# KiCad board ulx4m_panel.kicad_pcb (continued)
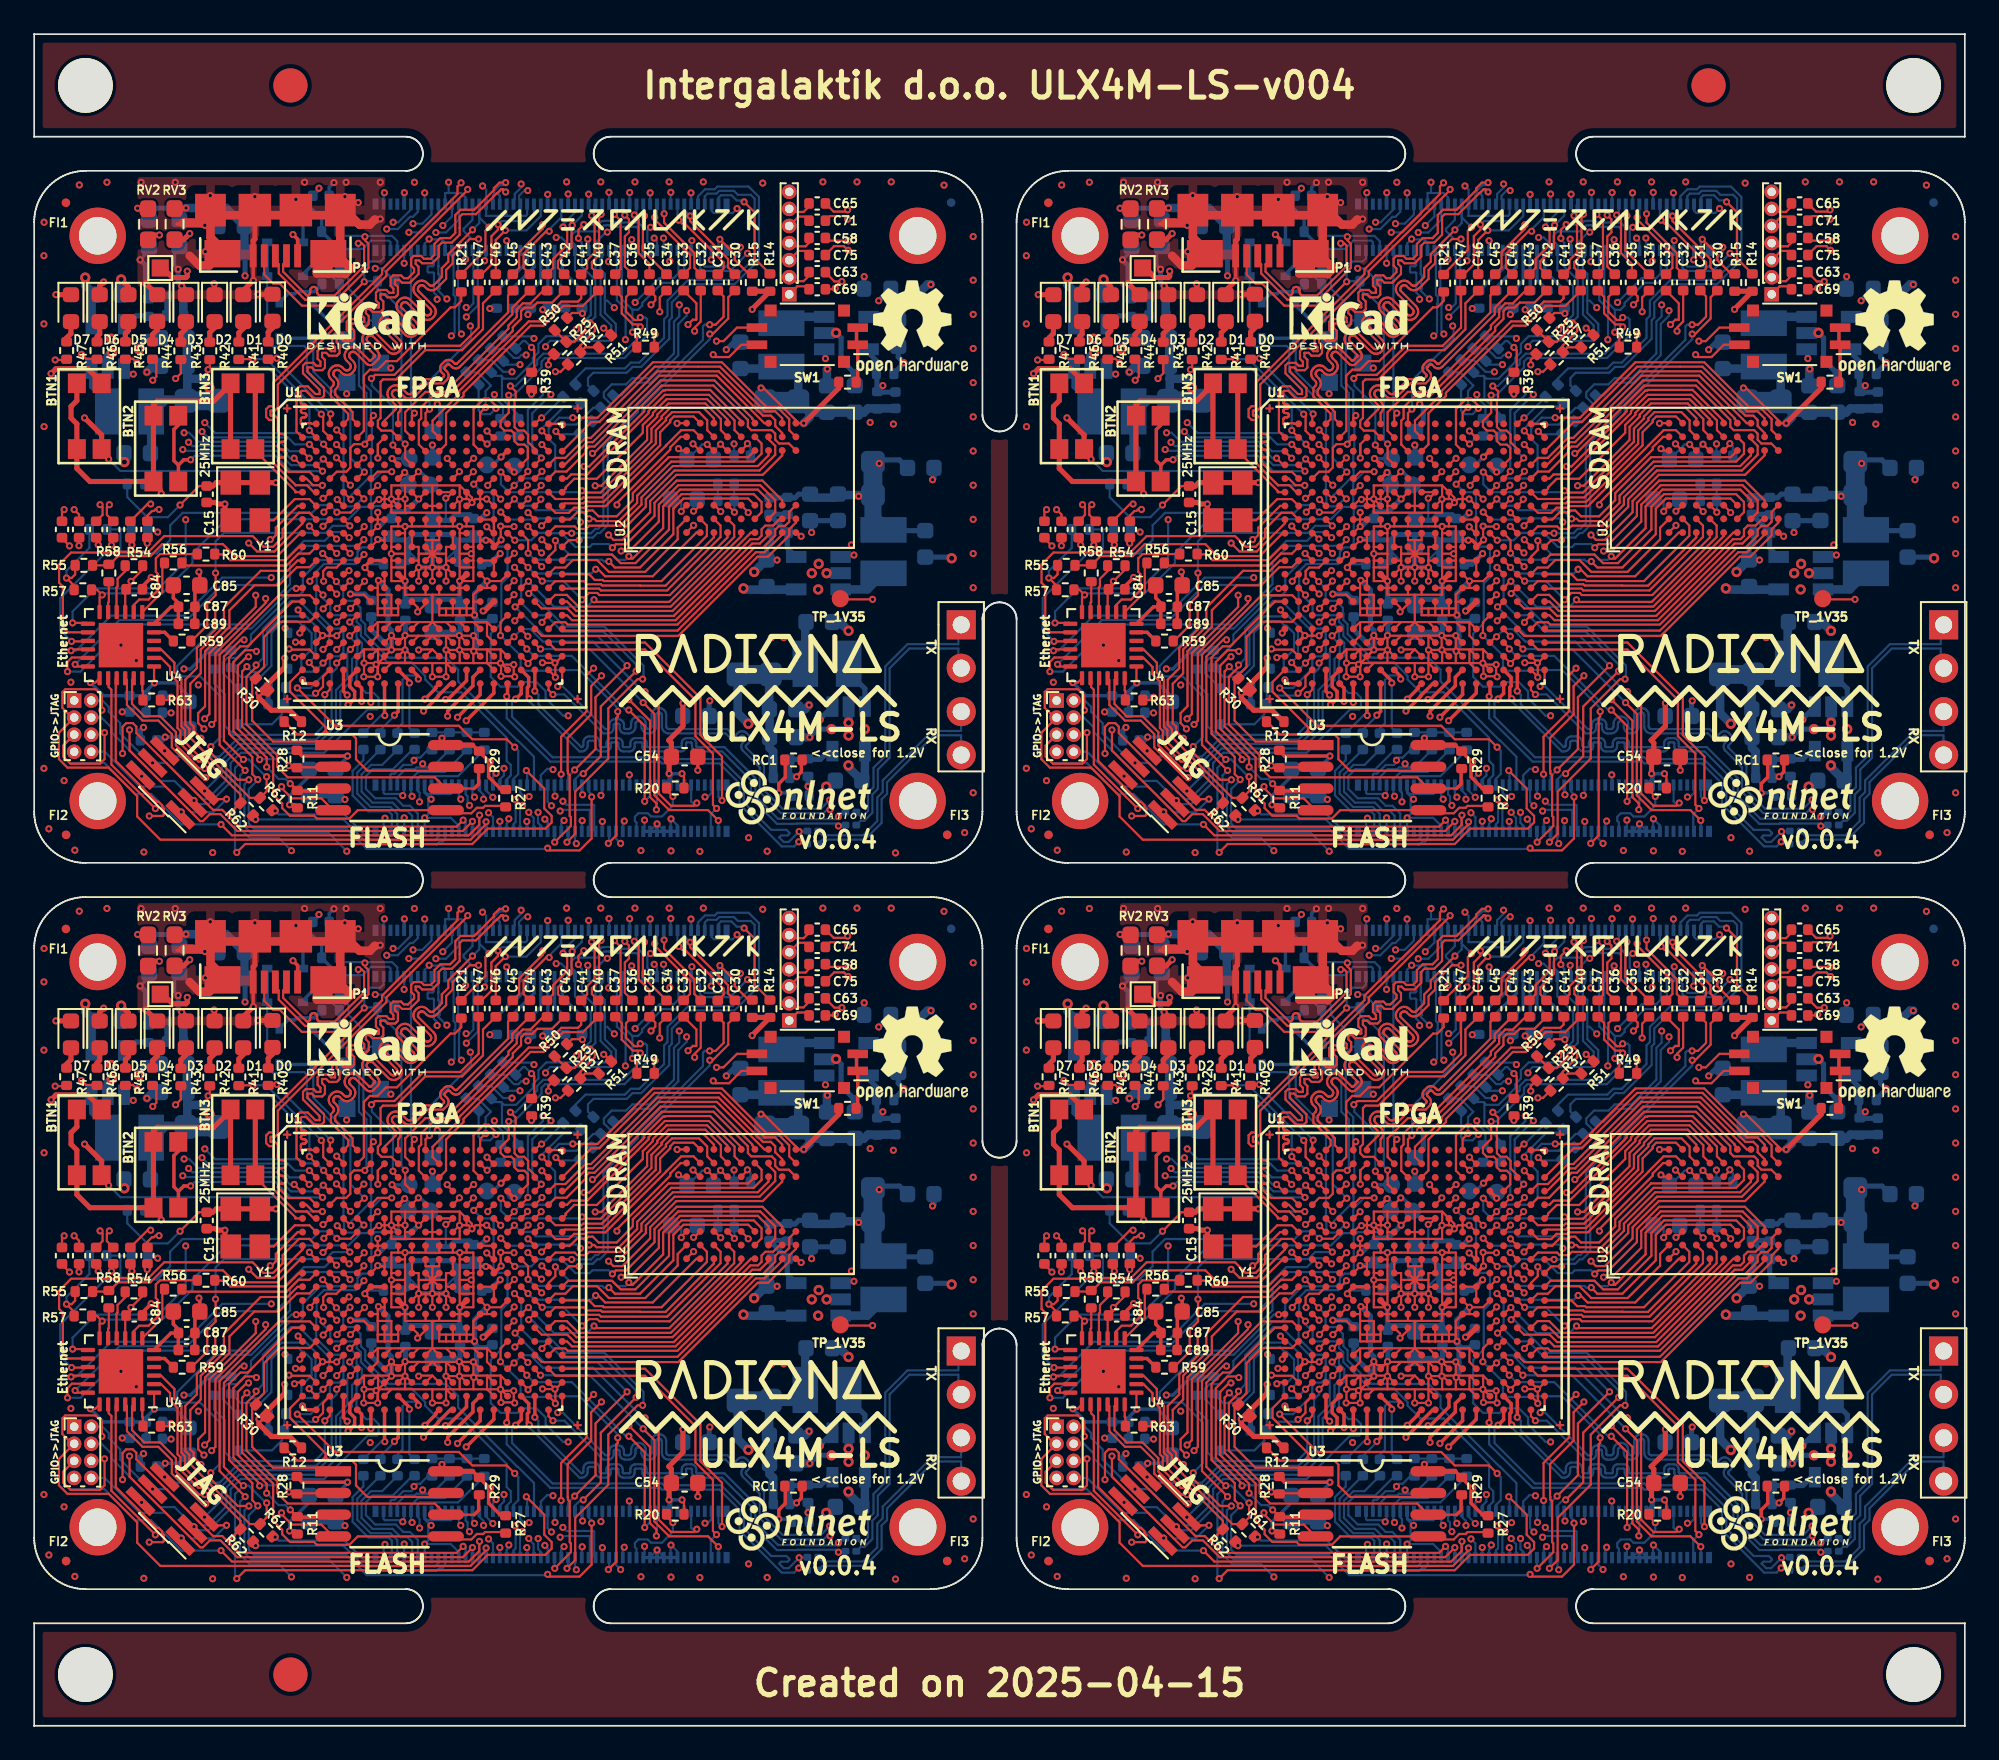
[diagram p0: board, top side]
## Routing (per net, layer and track width the routed paths; a pad name or vN(x,y) marks a point on that pad's centre or on a via; arc(x,y) is an arc through that point) (continued)
  Bottom w0.127: J1#3.30 83.57,12.24 83.82,11.99 v1(83.82,11.73)
Board_3-GPIO7: length 21.6
  Top w0.127: U1.P3 74.43,22.91 v1(74.43,22.87)
  In2signal.Cu w0.127: v1(85.3,10.58) 85.27,10.61 85.27,11.89 85.41,12.04 85.41,13.73 85.2,13.94 85.14,13.94 84.41,14.66 84.41,16.36 83.03,17.74 83.03,19.18 82.14,20.07 78.04,20.07 76.41,21.7 75.79,21.7 74.94,21.7 74.43,22.21 v1(74.43,22.87)
  Bottom w0.127: v1(85.3,10.58) 85.3,10.43 85.17,10.3 J1#3.37
Board_3-GPIO8: length 21.2
  Top w0.127: U1.P4 75.24,22.92 v1(75.24,22.9)
  In2signal.Cu w0.127: v1(75.24,22.9) 75.64,22.5 76.22,22.5 77.85,20.87 82.6,20.87 82.81,20.66 82.81,19.79 83.3,19.3 83.3,17.83 84.67,16.46 84.67,14.77 85.24,14.19 85.31,14.19 85.67,13.83 85.67,11.7 v1(85.67,11.7)
  Bottom w0.127: v1(85.67,11.7) 85.7,11.67 85.7,10.39 85.57,10.26 J1#3.39
Board_3-GPIO9: length 29.9
  Top w0.127: U1.L5 76.46,25.7 v1(76.82,26.05) ; v1(85.64,14.77) 85.18,15.24 83.16,15.24 82.37,16.03 75.12,16.03 v1(72.91,18.24)
  Bottom w0.127: v1(85.64,14.77) 85.85,14.57 85.85,13.2 85.57,12.92 J1#3.40 ; v1(72.91,18.24) 73.69,18.24 74.82,19.37 74.82,19.9 75.01,20.09 75.36,20.09 75.61,20.34 75.61,21.15 75.61,21.15 75.61,21.48 75.37,21.72 74.98,21.72 74.02,22.68 74.02,24.2 74.05,24.23 74.05,25.08 74.47,25.5 76.34,25.5 76.82,25.97 v1(76.82,26.05)
Board_3-GPIO10: length 63.8
  Top w0.127: v1(69.76,14.06) 69.72,14.06 68.62,15.16 68.62,20.08 69.6,21.06 v1(69.8,21.06) ; v3(71.12,13.05) 71.12,12.2 R61#2.2 70.14,11.81 67.76,14.18 67.23,14.18 66.34,15.07 66.34,15.78 66.13,15.99 66.13,18.04 66.13,18.74 65.72,19.15 65.72,19.72 64.94,20.5 U4#4.3 ; U1.K4 76,26.12 v1(76,26.12) ; v1(86.32,13.41) 87.37,12.36 87.37,11.19 87.8,10.75 87.8,10.37 87.44,10.01 84.06,10.01 83.16,9.11 69.86,9.11 v1(69.37,8.62)
  In2signal.Cu w0.127: v1(76,26.12) 75.62,26.5 74.89,26.5 74.66,26.73 72.73,26.73 70.05,24.05 70.05,21.31 v1(69.8,21.06)
  Bottom w0.127: v1(86.32,13.41) 86.37,13.36 J1#3.44 ; v3(71.12,13.05) 71.08,13.05 70.07,14.06 v1(69.76,14.06) 69.27,13.56 69.27,8.72 v1(69.37,8.62)
Board_3-GPIO11: length 18.8
  Top w0.127: v1(74.42,23.68) 74.42,23.7 U1.N2
  Bottom w0.127: J1#3.38 85.17,12.88 85.41,13.13 85.41,13.73 85.17,13.97 85.17,15.33 82.51,17.99 81.15,17.99 80.4,18.74 80.4,18.94 79.6,19.74 78.18,19.74 76.64,21.29 76.64,21.86 76.39,22.11 76.39,22.33 76.22,22.5 75.84,22.5 74.85,22.5 74.84,22.51 74.84,23.07 74.42,23.49 v1(74.42,23.68)
Board_3-GPIO12: length 57.9
  Top w0.127: v1(61.47,16.94) 61.47,17.79 61.1,18.17 59.33,18.17 59.16,18 59.16,17.08 59.73,16.51 J6#4.3 58.96,15.62 58.96,14.08 59.46,13.58 61.87,13.58 63.54,11.91 63.54,10.72 64.9,9.36 83.05,9.36 83.96,10.27 v3(83.96,10.41) ; U1.L2 73.63,25.31 72.89,25.31 71.83,24.25 70.4,24.25 68.94,22.79 68.94,21.82 67.51,20.39 67.51,17.17 67.11,16.77 67.11,16.19 v1(67.45,15.85)
  In2signal.Cu w0.127: v1(61.47,16.94) 61.64,16.78 61.64,16.55 61.75,16.55 62.91,15.38 63.98,15.38 64.65,16.06 67.24,16.06 v1(67.45,15.85)
  Bottom w0.127: v3(83.96,10.41) 83.97,10.4 83.97,10
Board_3-GPIO13: length 21.1
  Top w0.127: U1.T1 73.06,21.54 v1(73.06,21.46)
  In2signal.Cu w0.127: v1(83.28,11.85) 83.28,14.12 83.87,14.71 83.87,16.18 82.52,17.53 82.52,18.93 81.9,19.56 79.5,19.56 78.31,18.37 76.59,18.37 76.18,18.78 75.15,18.78 74.82,19.11 74.82,20.05 74.77,20.1 74.25,20.1 73.06,21.29 v1(73.06,21.46)
  Bottom w0.127: J1#3.28 83.17,11.97 v1(83.28,11.85)
Board_3-GPIO14: length 22
  Top w0.127: U1.N18 86.79,24.1 v1(86.46,23.77) ; v1(93.13,18.76) 92.83,18.76 91.12,17.04 91.12,14.11 89.18,12.17 89.18,9.7 v1(88.7,9.22)
  Bottom w0.127: v1(93.13,18.76) 93.18,18.81 93.18,19.55 90.9,21.83 88.57,21.83 86.63,23.77 v1(86.46,23.77) ; v1(88.7,9.22) 88.77,9.28 J1#3.55
Board_3-GPIO15: length 20.6
  Top w0.127: v1(87.98,9.22) 88.93,10.16 88.93,10.68 88.86,10.75 88.86,13.13 88.76,13.23 88.76,13.38 88.74,13.4 88.74,15.32 90.12,16.69 90.12,18.35 v1(90.72,18.96) ; U1.N16 85.22,24.13 v1(85.61,24.52)
  In2signal.Cu w0.127: v1(90.72,18.96) 90.92,19.16 90.92,19.4 88.65,21.67 88.65,21.81 87.22,23.24 86.39,23.24 86.04,23.59 86.04,24.09 v1(85.61,24.52)
  Bottom w0.127: J1#3.51 87.97,9.23 v1(87.98,9.22)
Board_3-GPIO16: length 56.1
  Top w0.127: v1(61.63,15.63) 61.63,14.08 61.36,13.81 59.64,13.81 59.21,14.24 59.21,14.87 J6#4.5 ; v1(67.27,15.3) 66.85,15.72 66.85,15.98 66.65,16.18 66.65,18.49 67.26,19.1 67.26,20.49 68.62,21.85 68.62,22.95 70.77,25.1 72.33,25.1 72.93,25.7 U1.L1 ; v3(83.58,10.79) 83.56,10.78 83.56,10.23 82.95,9.61 69.09,9.61 v1(68.45,10.25)
  In2signal.Cu w0.127: v1(61.63,15.63) 61.75,15.75 62.19,15.75 62.81,15.13 64.08,15.13 64.76,15.81 66.76,15.81 v1(67.27,15.3)
  Bottom w0.127: 83.57,10 83.56,10 83.56,10.78 v3(83.58,10.79) ; v1(68.45,10.25) 66.14,10.25 64.35,12.04 63.44,12.04 61.63,13.85 59.6,13.85 59.23,14.21 59.23,14.89 J6#4.5
Board_3-GPIO17: length 67.2
  Top w0.127: U1.H3 74.43,27.71 v1(74.42,27.71)
  In2signal.Cu w0.127: v1(87.79,11.35) 87.84,11.3 87.84,10.46 86.68,9.31 69.7,9.31 69.4,9.01 64.15,9.01 64.12,9.04 60.19,9.04 58.55,10.68 58.55,13.66 58.38,13.83 58.38,27.75 58.91,28.28 65.86,28.28 66.13,28.55 73.58,28.55 v1(74.42,27.71)
  Bottom w0.127: v1(87.79,11.35) 87.57,11.57 J1#3.50
Board_3-GPIO18: length 25.4
  Top w0.127: v1(76.85,24.49) 76.46,24.1 U1.N5
  In2signal.Cu w0.127: v1(76.85,24.49) 77.86,23.48 83.99,23.48 84.45,23.02 84.45,21.54 84.41,21.5 84.41,21.11 84.41,21.11 84.41,18.32 84.49,18.24 86.22,18.24 86.64,18.66 86.8,18.66 87.22,18.24 87.22,16.82 87.23,16.81 87.23,12.74 87.39,12.58 87.39,11.1 87.58,10.91 87.58,10.74 v1(87.4,10.56)
  Bottom w0.127: J1#3.49 87.57,10.4 v1(87.4,10.56)
Board_3-GPIO19: length 21.9
  Top w0.127: v1(72.81,20.92) 72.83,20.9 U1.U1
  In2signal.Cu w0.127: v1(72.81,20.92) 73.03,20.92 74.01,19.94 74.01,19.11 74.62,18.5 76.09,18.5 76.48,18.11 78.41,18.11 79.6,19.3 81.8,19.3 82.27,18.83 82.27,17.42 83.62,16.07 83.62,14.83 82.88,14.09 82.88,11.47 v1(82.99,11.37)
  Bottom w0.127: v1(82.99,11.37) 82.88,11.47 82.88,11.9 82.77,12.02 J1#3.26
Board_3-GPIO20: length 48.1
  Top w0.127: U1.L3 74.41,26.11 v1(74.4,26.11) ; v1(63.09,15.78) 63.09,14.58 67.23,10.44 67.39,10.44 67.79,10.85 68.41,10.85 69.4,9.87 82.6,9.87 v3(83.16,10.43) ; v1(67.49,16.44) 67.77,16.71 67.77,20.27 70.48,22.99 v1(70.48,23.67)
  In2signal.Cu w0.127: v1(74.4,26.11) 73.73,25.44 72.66,25.44 71.51,24.29 71.1,24.29 v1(70.48,23.67) ; v1(67.49,16.44) 67.39,16.33 63.64,16.33 v1(63.09,15.78) 63.09,17.06 61.99,18.16 60.5,18.16 J6#4.1
  Bottom w0.127: 83.17,10 83.17,10.43 v3(83.16,10.43)
Board_3-GPIO21: length 62.3
  Top w0.127: 68.85,10.78 68.52,11.11 67.98,11.11 63.49,15.59 63.49,15.98 63.28,16.18 62.9,16.18 62.68,15.97 v1(62.68,14.41) ; 68.85,10.78 69.57,11.51 R62#2.2 69.59,12 67.66,13.93 67.12,13.93 66.07,14.98 66.07,15.73 65.9,15.9 65.9,18.61 65.47,19.04 65.47,19.47 64.94,20 U4#4.2 ; 68.85,10.78 69.5,10.12 82.24,10.12 v3(82.62,10.5) ; U1.L4 75.21,25.29 74.63,25.29 74.43,25.08 74.43,24.51 v1(74.45,24.49) ; v1(71.06,23.48) 71.06,23.22 68.12,20.28 68.12,16.33 v1(67.9,16.11)
  In2signal.Cu w0.127: J6#4.7 60.47,13.89 61.78,13.89 62.3,14.41 v1(62.68,14.41) 64.58,14.41 65.03,13.96 66.47,13.96 67.9,15.39 v1(67.9,16.11) ; v1(71.06,23.48) 72.52,24.94 73.99,24.94 74.44,24.49 v1(74.45,24.49)
  Bottom w0.127: J1#3.25 82.77,10.36 v3(82.62,10.5)
Board_3-GPIO22: length 19.6
  Top w0.127: U1.M3 74.82,24.85 v1(75.2,24.47)
  Bottom w0.127: v1(75.2,24.47) 75.2,24.46 75.6,24.06 75.6,23.4 75.66,23.34 76.21,23.34 76.61,22.94 76.61,22.63 76.64,22.6 76.64,22.22 76.89,21.97 76.89,21.4 78.27,20.02 78.43,20.02 78.44,20.01 81.63,20.01 82.33,19.31 82.33,18.62 85.79,15.16 85.82,15.16 86.77,14.21 J1#3.46
Board_3-GPIO23: length 23.9
  Top w0.127: U1.N4 75.62,24.12 v1(76,24.5)
  In2signal.Cu w0.127: v1(76,24.5) 77.28,23.22 83.89,23.22 84.19,22.92 84.19,21.64 84.15,21.6 84.15,21.01 84.15,21.01 84.15,18.12 84.75,17.53 84.77,17.53 86.97,15.32 86.97,12.63 87.14,12.47 87.14,11.09 v1(87.01,10.96)
  Bottom w0.127: J1#3.47 87.17,10.18 87,10.35 87,10.96 v1(87.01,10.96)
Board_3-GPIO24: length 23.4
  Top w0.127: v1(75.22,23.74) 74.86,24.1 U1.N3
  In2signal.Cu w0.127: v1(86.46,10.96) 86.46,11.01 86.88,11.43 86.88,12.36 86.72,12.53 86.72,15.13 83.9,17.95 83.9,20.9 83.9,20.9 83.9,21.55 83.41,22.04 77.53,22.04 76.26,23.31 75.65,23.31 v1(75.22,23.74)
  Bottom w0.127: J1#3.45 86.75,9.86 86.75,10.63 86.46,10.92 v1(86.46,10.96)
Board_3-GPIO25: length 21.5
  Top w0.127: U1.P5 76.03,22.9 v1(76.03,22.9)
  In2signal.Cu w0.127: v1(86.1,11.37) 86.08,11.39 86.08,13.01 85.92,13.17 85.92,13.94 85.41,14.44 85.35,14.44 84.92,14.87 84.92,16.57 83.65,17.84 83.65,20.8 83.64,20.8 83.64,21.44 83.36,21.73 77.48,21.73 76.31,22.9 v1(76.03,22.9)
  Bottom w0.127: J1#3.41 85.95,9.86 85.95,11.22 v1(86.1,11.37)
Board_3-GPIO26: length 17.3
  Top w0.127: v1(72.75,20.02) 72.82,20.1 U1.V1
  In2signal.Cu w0.127: v1(72.75,20.02) 74.51,18.25 75.99,18.25 76.38,17.86 78.79,17.86 78.9,17.97 78.91,17.97 78.95,18.01 80.61,18.01 80.8,17.82 80.8,13.41 v1(82.48,11.73)
  Bottom w0.127: v1(82.48,11.73) 82.37,11.84 J1#3.24
Board_3-GPIO27: length 31.5
  Top w0.127: U1.R17 85.97,22.5 v1(85.65,22.17)
  In2signal.Cu w0.127: v1(85.65,22.17) 86.47,22.17 87.42,21.22 87.57,21.22 90.71,18.08 92.42,18.08 92.72,17.78 92.72,15.73 94.06,14.39 94.06,13.08 94.74,12.4 95.07,12.4 95.43,12.04 95.43,9.88 94.93,9.38 92.97,9.38 92.34,8.75 90.44,8.75 89,10.19 89,11.99 88.17,12.82 87.93,12.82 87.88,12.86 v1(87.88,13.47)
  Bottom w0.127: v1(87.88,13.47) 87.84,13.51 87.54,13.51 87.17,13.13 J1#3.48
Board_3-HDMI0_CEC: length 2.5
  Bottom w0.2: 87.97,43.7 87.97,42.11 R8#3.2
Board_3-HDMI0_CLK_N: length 5.3
  Top w0.127: C30#3.2 98.13,42.86 98.13,43.34 95.91,45.56 v1(95.91,45.86)
  Bottom w0.127: v1(95.91,45.86) 95.57,46.2 J2.90
Board_3-HDMI0_CLK_P: length 5.5
  Top w0.127: C31#3.2 97.87,42.8 97.87,43.15 95.61,45.41 95.45,45.41 v1(95.24,45.62)
  Bottom w0.127: v1(95.24,45.62) 95.17,45.69 J2.88
Board_3-HDMI0_HOTPLUG: length 2.9
  Bottom w0.2: 88.37,43.7 88.37,43.17 88.43,43.1 88.43,42.38 88.7,42.38 R9#3.2
Board_3-HDMI0_SCL: length 6.9
  Top w0.127: v1(99.07,46.69) 99.68,46.08 99.68,43.38 R14.2
  Bottom w0.127: v1(99.07,46.69) 98.99,46.77 98.64,46.77 98.33,47.08 97.72,47.08 97.57,46.93 J2.100
Board_3-HDMI0_SDA: length 3.6
  Top w0.127: v1(97.65,44.5) 98.53,43.62 98.53,43.28 99.34,42.48 R15#3.2
  Bottom w0.127: J2.99 97.57,44.41 v1(97.65,44.5)
Board_3-HDMI0_TX0_N: length 5
  Top w0.127: v1(94.39,45.99) 94.39,45.47 96.16,43.7 96.16,42.83 C32#2.2
  Bottom w0.127: v1(94.39,45.99) 94.37,46.01 J2.84
Board_3-HDMI0_TX0_P: length 5.2
  Top w0.127: C33#2.2 95.9,42.83 95.9,43.6 93.84,45.66 v1(93.84,45.78)
  Bottom w0.127: v1(93.84,45.78) 93.97,45.91 J2.82
Board_3-HDMI0_TX1_N: length 5.1
  Top w0.127: 93.24,45.54 93.24,45.86 v1(93.24,45.87) 93.15,45.78 93.15,43.84 C34#3.2
  Bottom w0.127: v1(93.24,45.87) 93.17,45.94 J2.78
Board_3-HDMI0_TX1_P: length 4.5
  Top w0.127: v1(92.64,45.92) 92.89,45.67 92.89,43.69 93.53,43.06 C35#2.2
  Bottom w0.127: v1(92.64,45.92) 92.77,46.05 J2.76
Board_3-HDMI0_TX2_N: length 4.5
  Top w0.127: C36#3.2 92.09,42.9 92.09,44.67 92.33,44.91 92.33,45.67 v1(92.09,45.91)
  Bottom w0.127: J2.72 91.97,46.03 v1(92.09,45.91)
Board_3-HDMI0_TX2_P: length 4.4
  Top w0.127: C37#3.2 91.83,42.76 91.83,45.59 v1(91.48,45.95)
  Bottom w0.127: v1(91.48,45.95) 91.57,46.04 J2.70
Board_3-HDMI1_CEC: length 2.2
  Bottom w0.2: R16.2 87.58,42.21 87.57,42.23 87.57,43.7
Board_3-HDMI1_CLK_N: length 4.5
  Top w0.127: v1(90.7,45.97) 90.58,45.85 90.58,43.59 90.16,43.17 90.16,42.83 C40#2.2
  Bottom w0.127: J2.66 90.77,46.04 v1(90.7,45.97)
Board_3-HDMI1_CLK_P: length 4.6
  Top w0.127: C41#4.2 89.88,42.81 89.88,43.29 90.32,43.72 90.32,45.56 90.2,45.68
  Top w0.2: v1(90.14,45.88) 90.14,45.74 90.2,45.68
  Bottom w0.127: J2.64 90.29,46.48 90.29,46.03 v1(90.14,45.88)
Board_3-HDMI1_HOTPLUG: length 3
  Bottom w0.2: 86.37,43.7 86.37,43.17 85.52,42.32 85.42,42.32 R17.2
Board_3-HDMI1_SCL: length 2.5
  Bottom w0.2: 87.17,43.7 87.17,42.08 86.58,41.49 R10#4.2
Board_3-HDMI1_SDA: length 2.7
  Bottom w0.2: R13#3.2 85.58,41.67 86.77,42.86 86.77,43.7
Board_3-HDMI1_TX0_N: length 4.8
  Top w0.127: C42.2 88.17,42.82 88.17,43.22 88.97,44.02 88.97,45.28 v1(89.01,45.32)
  Bottom w0.127: v1(89.01,45.32) 89.57,45.88 J2.60
Board_3-HDMI1_TX0_P: length 5
  Top w0.127: v1(88.47,45.21) 88.71,44.97 88.71,44.17 87.89,43.35 87.89,42.82 C43#2.2
  Bottom w0.127: J2.58 89.17,46.07 88.47,45.37 v1(88.47,45.21)
Board_3-HDMI1_TX1_N: length 5.3
  Top w0.127: v1(87.66,44.97) 87.48,44.97 86.16,43.65 86.16,42.83 C44#2.2
  Bottom w0.127: J2.54 88.37,45.78 87.66,45.08 v1(87.66,44.97)
Board_3-HDMI1_TX1_P: length 5.1
  Top w0.127: C45#4.2 85.9,42.83 85.9,43.75 87.27,45.12 v1(87.27,45.35)
  Bottom w0.127: J2.52 87.97,46.05 v1(87.27,45.35)
Board_3-HDMI1_TX2_N: length 5.9
  Top w0.127: C46#3.2 84.53,44.46 v1(85.09,45.02)
  Bottom w0.127: v1(85.09,45.02) 86.33,45.02 87.17,45.86 J2.48
Board_3-HDMI1_TX2_P: length 6.5
  Top w0.127: C47#2.2 83.71,42.46 84.28,43.02 84.28,44.67 84.66,45.06 v1(84.66,45.36)
  Bottom w0.127: J2.46 86.77,45.88 86.45,45.57 84.87,45.57 v1(84.66,45.36)
Board_3-ID_SC: length 62.4
  Top w0.127: U1.J3 74.87,27.3 v1(75.21,26.96)
  In2signal.Cu w0.127: v1(75.21,26.96) 75.13,27.04 73.33,27.04 72.76,27.61 66.13,27.61 65.71,28.02 59.01,28.02 58.63,27.65 58.63,13.93 58.8,13.76 58.8,10.78 60.3,9.29 69.32,9.29 69.59,9.56 84.04,9.56 84.77,10.29 v1(84.77,10.44)
  Bottom w0.127: J1#3.35 84.77,10.43 v1(84.77,10.44)
Board_3-ID_SD: length 63.1
  Top w0.127: v1(70.07,26.72) 70.56,26.23 71.57,26.23 73.22,27.88 U1.H1
  In2signal.Cu w0.127: 70.11,26.81 69.61,27.31 65.56,27.31 65.1,27.77 59.12,27.77 58.89,27.54 58.89,14.04 59.29,13.64 62.58,13.64 63.44,12.78 63.44,10.63 63.97,10.09 64.52,10.09 64.7,10.27 65.17,10.27 65.85,9.6 69.27,9.6 69.49,9.81 83.94,9.81 84.37,10.25 84.37,10.63 85.01,11.27 85.01,13.54 v1(85.01,13.54)
  Bottom w0.127: v1(85.01,13.54) 85.01,13.13 84.77,12.88 J1#3.36
Board_3-JTAG_TCK: length 26.5
  Top w0.127: v1(75.98,21.3) 76.02,21.3 U1.T5
  Bottom w0.127: v1(75.98,21.3) 75.98,21.23 76.43,20.78 76.43,20.25 76.12,19.94 76.12,18.7 75.43,18.01 75.43,17.45 75.43,17.44 75.43,15.87 74.25,14.7 69.51,14.7 68.76,13.94 68.76,12.84 67.65,11.74 67.38,11.74 65.27,13.85 v1(64.44,13.85) 64.28,13.85 62.55,15.58 62.55,16.17 61.87,16.85 61.87,17.13 61.51,17.5 60.86,17.5 J6#4.2
Board_3-JTAG_TDI: length 28.9
  Top w0.127: U1.R5 76.02,22.1 v1(75.99,22.1)
  Bottom w0.127: J6#4.4 61.45,16.51 62.03,15.93 62.03,15.66 64.89,12.8 65.73,12.8 v1(66.87,11.65) 67.08,11.44 67.73,11.44 69.01,12.73 69.01,13.85 69.61,14.45 74.49,14.45 77.03,16.99 77.57,16.99 77.67,17.09 77.67,17.67 77.39,17.95 76.94,17.95 76.38,18.51 76.38,19.84 76.69,20.15 76.69,20.88 76.38,21.19 76.38,21.7 v1(75.99,22.1)
Board_3-JTAG_TDO: length 19.6
  Top w0.127: v1(75.22,19.7) U1.V4
  In2signal.Cu w0.127: J6#4.6 61.13,15.23 61.96,15.23 62.31,14.88 64.83,14.88 v1(65.15,14.56)
  Bottom w0.127: v1(75.22,19.7) 75.22,19.4 74.93,19.11 74.93,16.13 74.01,15.22 69.35,15.22 68.36,14.23 65.48,14.23 v1(65.15,14.56)
Board_3-JTAG_TMS: length 26.3
  Top w0.127: v1(68.77,11.74) 67.95,11.74 v1(67.48,12.21) ; U1.U5 v1(76.02,20.5)
  Bottom w0.127: J6#4.8 61.64,14.51 63.68,12.47 65.21,12.47 66.71,10.97 68,10.97 v1(68.77,11.74) ; v1(76.02,20.5) 75.84,20.32 75.84,18.78 75.18,18.12 75.18,17.55 75.17,17.55 75.17,16.03 74.11,14.97 69.43,14.97 68.5,14.04 68.5,13.24 v1(67.48,12.21)
Board_3-LED0: length 5.7
  Top w0.127: v1(74.87,34.28) 74.82,34.23 U1.A3 ; 71.21,37.51 71.69,37.51 v1(71.72,37.54)
  Bottom w0.127: v1(71.72,37.54) 71.72,37.43 v1(74.87,34.28)
Board_3-LED1: length 7.7
  Top w0.127: v1(74.32,34.26) 74.43,34.15 74.43,33.29 U1.B3 ; v1(70.32,37.49) 69.5,37.49
  Bottom w0.127: v1(70.32,37.49) 71.09,37.49 v1(74.32,34.26)
Board_3-LED2: length 9.5
  Top w0.127: 67.79,37.49 67.79,36.97 v1(67.69,36.87) ; U1.B2 73.62,33.3 v1(73.62,33.32)
  Bottom w0.127: v1(67.69,36.87) 67.81,36.99 71.21,36.99 73.62,34.58 v1(73.62,33.32)
Board_3-LED3: length 12.6
  Top w0.127: U1.C3 74.45,32.46 v1(74.45,32.51) ; 66.1,37.49 66.1,36.65 v1(65.79,36.35)
  In2signal.Cu w0.127: v1(67.5,33.77) 67.42,33.77 65.79,35.4 v1(65.79,36.35)
  Bottom w0.127: v1(74.45,32.51) 74.04,32.92 73.3,32.92 73.06,33.16 68.11,33.16 v1(67.5,33.77)
Board_3-LED4: length 12.8
  Top w0.127: U1.C2 v1(73.62,32.5) ; v1(64.45,36.25) 64.66,36.46 64.66,37.28 64.44,37.51
  In2signal.Cu w0.127: v1(64.45,36.25) 64.45,36.13 v1(67.33,33.25)
  Bottom w0.127: v1(67.33,33.25) 67.68,32.9 72.36,32.9 72.77,32.5 v1(73.62,32.5)
Board_3-LED5: length 14.5
  Top w0.127: v1(63.53,37.27) 63.29,37.51 62.85,37.51 ; U1.C1 73.22,32.08 v1(73.61,31.69)
  In2signal.Cu w0.127: v1(63.53,37.27) 63.71,37.09 63.71,35.75 v1(66.29,33.17)
  Bottom w0.127: v1(73.61,31.69) 73.2,32.1 72.45,32.1 71.9,32.65 67.11,32.65 66.58,33.17 v1(66.29,33.17)
Board_3-LED6: length 16.6
  Top w0.127: v1(72.73,31.69) 73.12,31.3 U1.D1 ; 61.19,37.51 60.54,37.51 v1(60.28,37.77)
  In2signal.Cu w0.127: v1(66.55,32.62) 66.25,32.62 62.73,36.14 62.2,36.14 60.58,37.77 v1(60.28,37.77)
  Bottom w0.127: v1(66.55,32.62) 66.77,32.39 71.78,32.39 72.49,31.69 v1(72.73,31.69)
Board_3-LED7: length 19.6
  Top w0.127: v1(74.43,31.64) 74.78,31.3 U1.D3 ; 59.41,37.51 59.34,37.44 v1(58.74,37.44)
  In2signal.Cu w0.127: v1(58.74,37.44) 58.91,37.27 60.64,37.27 62.02,35.89 62.51,35.89 63.33,35.06 63.34,35.06 v1(66.21,32.19)
  Bottom w0.127: v1(74.43,31.64) 74.07,31.28 72.54,31.28 71.7,32.12 66.28,32.12 v1(66.21,32.19)
Board_3-Net-(BTN1-Pad1): length 25.6
  Top w0.127: v3(64.95,29.61) 64.95,29.87 BTN2.1
  Top w0.3: BTN3#3.1 BTN3#3.1 69.01,36.01 68.02,35.03 64.72,35.03 64.5,34.8 BTN2.1 BTN2.1 60.77,30.32 60.01,31.09 BTN1#4.1 60.01,33.7 59.67,34.04 59.67,34.72 60.01,35.06 BTN1#4.1
  Bottom w0.127: v3(64.95,29.61) 64.38,30.18 R18#2.1
Board_3-Net-(R70-Pad2): length 3.2
  Top w0.2: R70#4.2 105.72,36.23 SW1#2.1 ; 105.65,39.32 105.65,38.32
Board_3-Net-(RC1-Pad1): length 2.9
  Top w0.2: v1(101.1,12.1) 101.1,12.64 101.48,13.02 101.48,14.03
  Bottom w0.2: v1(101.1,12.1) 101.74,12.1 101.89,11.95
Board_3-Net-(U1A-PT13B): length 1.5
  Top w0.2: U1.D8 78.82,31.31 v1(78.46,31.67)
  Bottom w0.2: TP_D8#2.1 78.47,31.66 v1(78.46,31.67)
Board_3-Net-(U1A-PT20B): length 1.7
  Top w0.127: U1.E9 79.62,30.52 v1(80,30.9)
  Bottom w0.2: TP_E9#3.1 80.68,30.33 80.11,30.9 v1(80,30.9)
Board_3-Net-(U1B-GR_PCLK1_0): length 11.6
  Top w0.127: U1.D12 81.69,31.63 v1(81.69,31.67)
  In2signal.Cu w0.127: v1(81.69,31.67) 82.13,32.11 82.13,34.12 82.77,34.76 82.77,35.52 84.98,37.73 v1(86.31,37.73)
  Bottom w0.127: R26.2 85.05,38.1 85.59,37.55 85.86,37.55 86.03,37.73 v1(86.31,37.73)
Board_3-Net-(U1B-GR_PCLK1_1): length 10.3
  Top w0.127: v1(82.4,30.9) 82.4,30.88 U1.E12
  In2signal.Cu w0.127: v1(85.95,37.16) 85.62,37.5 85.14,37.5 83.03,35.39 83.03,34.66 82.4,34.03 v1(82.4,30.9)
  Bottom w0.127: v1(85.95,37.16) 85.19,37.16 R38#3.1
Board_3-Net-(U1B-PT80A): length 9.8
  Top w0.127: U1.D13 83.2,31.68 v1(83.24,31.68) ; R25#4.2 87.61,37.45 v1(87.61,37.15)
  In2signal.Cu w0.127: v1(87.61,37.15) 87.34,37.15 85.77,35.58 85.77,34.91 84.83,33.98 83.66,33.98 82.8,33.12 82.8,32.35 83.24,31.91 v1(83.24,31.68)
Board_3-Net-(U1B-PT80B): length 10.9
  Top w0.127: R37#2.1 88.33,36.75 v1(88.02,36.75) ; U1.E13 v1(83.22,30.9)
  In2signal.Cu w0.127: v1(88.02,36.75) 87.3,36.75 86.02,35.47 86.02,34.81 84.94,33.73 83.77,33.73 83.06,33.02 83.06,32.44 83.64,31.86 83.64,31.32 v1(83.22,30.9)
Board_3-Net-(U1B-PT83A): length 4.3
  Top w0.127: U1.A14 83.62,34.35 v1(83.94,34.66)
  Bottom w0.127: v1(83.94,34.66) 83.94,35.62 84.25,35.94 83.48,36.7 R24#3.2
Board_3-Net-(U1B-PT83B): length 7.3
  Top w0.127: U1.C14 83.23,32.49 83.23,34.56 83.85,35.17 84.11,35.17 84.54,34.75 v1(84.54,34.6)
  Bottom w0.127: R36#4.1 83.53,34.48 83.75,34.26 84.2,34.26 v1(84.54,34.6)
Board_3-Net-(U1B-PT112A): length 1.5
  Top w0.2: v1(84.84,31.76) 85.18,32.1 U1.C16
  Bottom w0.2: TP_C16#4.1 84.38,31.3 v1(84.84,31.76)
Board_3-Net-(U1B-PT112B): length 0.9
  Top w0.2: v1(85.61,30.88) 85.22,31.27 U1.D16
  Bottom w0.2: v1(85.61,30.88) 85.62,30.89 TP_D16#2.1
Board_3-Net-(U1B-PT119A): length 2.3
  Top w0.127: v1(87.21,34.05) 87.17,34.05 U1.A18
  Bottom w0.127: v1(87.21,34.05) 87.25,34.05 R23#4.2
Board_3-Net-(U1B-PT119B): length 3.6
  Top w0.127: U1.B19 v1(87.23,33.29)
  Bottom w0.127: v1(87.23,33.29) 87.23,33.42 88.53,34.71 89.34,34.71 R35#4.1
Board_3-Net-(U1B-PT121A): length 3.5
  Top w0.127: v1(88.43,33.66) 88.39,33.7 U1.A19
  Bottom w0.127: v1(88.43,33.66) 89.26,33.66 90.24,34.64 R22.2
Board_3-Net-(U1B-PT121B): length 2
  Top w0.127: U1.B20 88.06,33.26 v1(88.05,33.26)
  Bottom w0.127: v1(88.05,33.26) 88.22,33.09 89.41,33.09 R34#4.1
Board_3-nEXTRST: length 16.9
  Top w0.127: v1(97.77,11.66) 97.77,14.22 96.51,15.49 96.51,17.66 93.27,20.9 U1.U20
  Bottom w0.127: v1(97.77,11.66) 97.57,11.86 J1#3.100
Board_3-PCIe_CLK_N: length 35.9
  Top w0.127: C66#2.2 59.14,28.55 v1(59.26,28.68)
  In2signal.Cu w0.127: v1(78.15,45.1) 78.34,44.91 78.34,43.44 78.16,43.27 78.16,43.14 78.34,42.97 78.34,42.2 75.22,39.08 74.8,39.08 74.57,39.3 73.94,39.3 73.79,39.15 73.79,38.52 74.01,38.29 74.01,38.21 72.88,37.08 72.81,37.08 72.64,37.24 72.35,37.24 72.1,36.99 72.1,36.7 72.6,36.21 72.6,36.1 72.49,36 72.42,36 71.91,36.51 71.62,36.51 71.33,36.22 71.33,35.53 69.56,33.75 69.56,33.52 69.72,33.36 69.72,33.34 69.56,33.18 69.54,33.18 69.38,33.34 69.15,33.34 66.77,30.97 60.53,30.97 60.29,30.73 60.08,30.73 60.04,30.77 59.83,30.77 59.83,30.56 59.87,30.52 59.87,30.31 59.42,29.86 59.42,28.95 59.26,28.78
  Bottom w0.127: v1(78.15,45.1) 78.8,45.1 79.51,45.81 79.68,45.81 79.97,46.1 J2.12
Board_3-PCIe_CLK_nREQ: length 19.2
  Top w0.127: v1(80.65,34.56) 80.42,34.33 U1.A10
  In2signal.Cu w0.127: v1(78.01,47.23) 78.75,46.49 81.31,46.49 82.21,45.59 82.21,41.82 83.31,40.72 83.31,39.7 v1(83.04,39.43)
  Bottom w0.127: v1(78.01,47.23) 77.97,47.18 J2.2 ; v1(80.65,34.56) 80.66,34.57 80.66,36.24 83.09,38.67 83.09,39.38 v1(83.04,39.43)
Board_3-PCIe_CLK_P: length 35.3
  Top w0.127: v1(59.85,28.68) 60.14,28.39 C59.1
  In2signal.Cu w0.127: v1(59.85,28.68) 59.7,28.83 59.7,29.78 60.64,30.72 66.88,30.72 69.25,33.09 69.27,33.09 69.44,32.92 69.67,32.92 69.98,33.23 69.98,33.46 69.81,33.63 69.81,33.65 71.79,35.62 71.79,35.91 71.62,36.07 71.62,36.15 71.73,36.25 71.8,36.25 72.31,35.74 72.6,35.74 72.85,36 72.85,36.32 72.58,36.59 72.57,36.59 72.36,36.81 72.36,36.88 72.46,36.99 72.54,36.99 72.7,36.82 72.99,36.82 74.27,38.1 74.27,38.4 74.04,38.62 74.04,39.05 74.46,39.05 74.69,38.82 75.32,38.82 78.59,42.09 78.59,43.73 78.84,43.98 78.84,44.03 78.59,44.28 78.59,45.43 v1(78.53,45.5)
  Bottom w0.127: J2.10 79.57,46.24 78.82,45.5 v1(78.53,45.5)
Board_3-PCIe_nRST: length 10.3
  Top w0.127: U1.A9 79.62,34.18 v1(79.77,34.32)
  Bottom w0.127: v1(79.77,34.32) 79.57,34.52 J2.9
Board_3-PCIe_RX_N: length 35.2
  Top w0.127: v1(61.37,28.97) 61.51,28.82 61.51,28.37 C67#4.2
  In2signal.Cu w0.127: v1(79.44,44.91) 79.79,44.91 79.93,44.76 79.93,42.44 71.55,34.06 69.25,31.76 69.09,31.76 68.92,31.92 68.55,31.92 68.39,31.76 68.39,31.38 68.55,31.22 68.55,31.06 68.54,31.04 68.38,31.04 68.21,31.21 67.84,31.21 67.67,31.04 67.67,30.67 67.84,30.51 67.84,30.34 66.19,30.34 66.09,30.44 65.89,30.44 65.79,30.34 65.59,30.34 65.49,30.44 65.29,30.44 65.19,30.34 64.75,30.34 64.18,29.77 63.86,29.77 63.74,29.89 63.74,30.12 63.48,30.38 63.25,30.38 62.98,30.12 62.98,28.99 62.86,28.86 62.73,28.99 62.73,29.5 62.45,29.77 61.89,29.77 61.51,29.4 61.51,29.11 v1(61.37,28.97)
  Bottom w0.127: v1(79.44,44.91) 80.12,44.91 81.17,45.95 J2.18
Board_3-PCIe_RX_P: length 35.5
  Top w0.127: v1(61.91,28.97) 61.77,28.82 61.77,28.37 C61.1
  In2signal.Cu w0.127: v1(61.91,28.97) 61.77,29.11 61.77,29.29 61.99,29.52 62.35,29.52 62.47,29.39 62.47,28.88 62.75,28.61 62.96,28.61 63.24,28.88 63.24,30.01 63.35,30.13 63.38,30.13 63.49,30.01 63.49,29.78 63.75,29.52 64.28,29.52 64.85,30.09 65.13,30.09 65.33,29.89 65.43,29.89 65.63,30.09 67.94,30.09 68.09,30.24 68.09,30.61 67.93,30.77 67.93,30.94 67.94,30.95 68.11,30.95 68.27,30.79 68.64,30.79 68.8,30.95 68.8,31.32 68.64,31.49 68.64,31.65 68.66,31.67 68.82,31.67 68.98,31.5 69.36,31.5 69.44,31.59 80.31,42.46 80.62,42.46 80.75,42.59 80.62,42.71 80.31,42.71 80.19,42.84 80.19,44.91 v1(79.69,45.41)
  Bottom w0.127: J2.16 80.77,45.95 80.23,45.41 v1(79.69,45.41)
Board_3-PCIe_TX_N: length 34.9
  Top w0.127: C72#4.2 64.15,29.01 v1(64.33,29.01)
  In2signal.Cu w0.127: v1(81.02,44.89) 81.17,44.75 81.17,42.08 76.78,37.69 76.39,37.69 72.59,33.88 72.38,33.68 72.35,33.63 72.32,33.58 72.31,33.53 72.31,33.47 72.32,33.42 72.35,33.36 72.38,33.32 72.49,33.22 72.49,33.21 72.49,33.21 72.29,33.01 72.28,33.01 72.28,33.01 72.18,33.11 72.13,33.15 72.08,33.17 72.03,33.19 71.97,33.19 71.92,33.17 71.86,33.15 71.82,33.11 71.79,33.09 71.74,33.02 71.7,32.94 71.68,32.86 71.68,32.77 71.7,32.69 71.74,32.61 71.79,32.55 72.1,32.24 72.12,32.22 72.13,32.19 72.14,32.16 72.14,32.13 72.13,32.09 72.12,32.06 72.1,32.04 72.07,32.02 72.04,32 72.01,32 71.98,32 71.95,32 71.92,32.02 71.89,32.04 71.59,32.34 71.52,32.4 71.44,32.43 71.36,32.45 71.28,32.45 71.19,32.43 71.12,32.4 71.05,32.34 71.02,32.31 70.96,32.24 70.93,32.17 70.91,32.08 70.91,32 70.93,31.91 70.96,31.84 71.02,31.77 71.46,31.33 71.48,31.3 71.49,31.27 71.5,31.24 71.5,31.21 71.49,31.17 71.48,31.14 71.46,31.12 71.43,31.1 71.41,31.08 71.37,31.08 71.34,31.08 71.31,31.08 71.28,31.1 71.25,31.12 70.81,31.56 70.74,31.62 70.67,31.65 70.58,31.67 70.5,31.67 70.41,31.65 70.34,31.62 70.27,31.56 70.24,31.53 70.18,31.46 70.15,31.39 70.13,31.3 70.13,31.22 70.15,31.14 70.18,31.06 70.24,30.99 70.68,30.55 70.7,30.52 70.72,30.49 70.72,30.46 70.72,30.43 70.72,30.4 70.7,30.37 70.68,30.34 70.66,30.32 70.63,30.31 70.6,30.3 70.56,30.3 70.53,30.31 70.5,30.32 70.48,30.34 70.03,30.79 69.96,30.84 69.89,30.88 69.8,30.9 69.72,30.9 69.64,30.88 69.56,30.84 69.49,30.79 68.33,29.62 65.75,29.62 65.21,29.09 64.63,29.09 64.55,29.01 v1(64.33,29.01)
  Bottom w0.127: 82.37,46.41 82.37,45.65 81.62,44.89 v1(81.02,44.89)
